# KiCad board tekskey-rounded.kicad_pcb
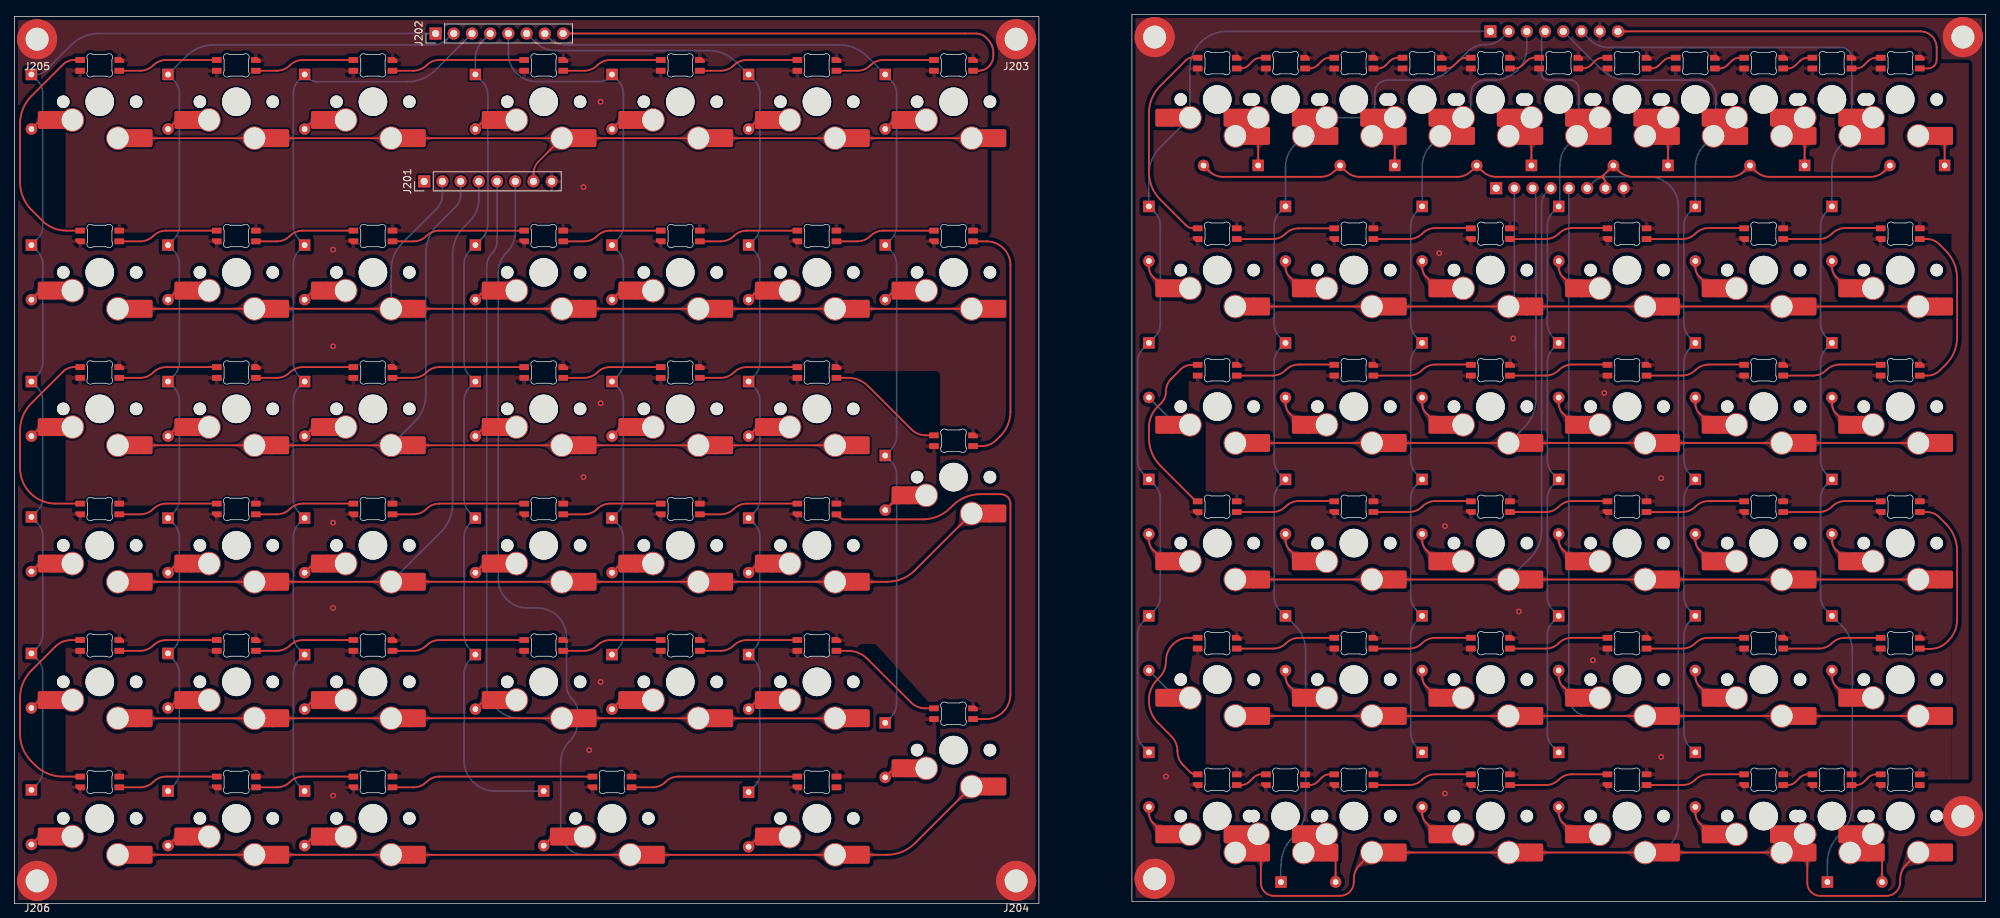
[diagram p0: board, top side]
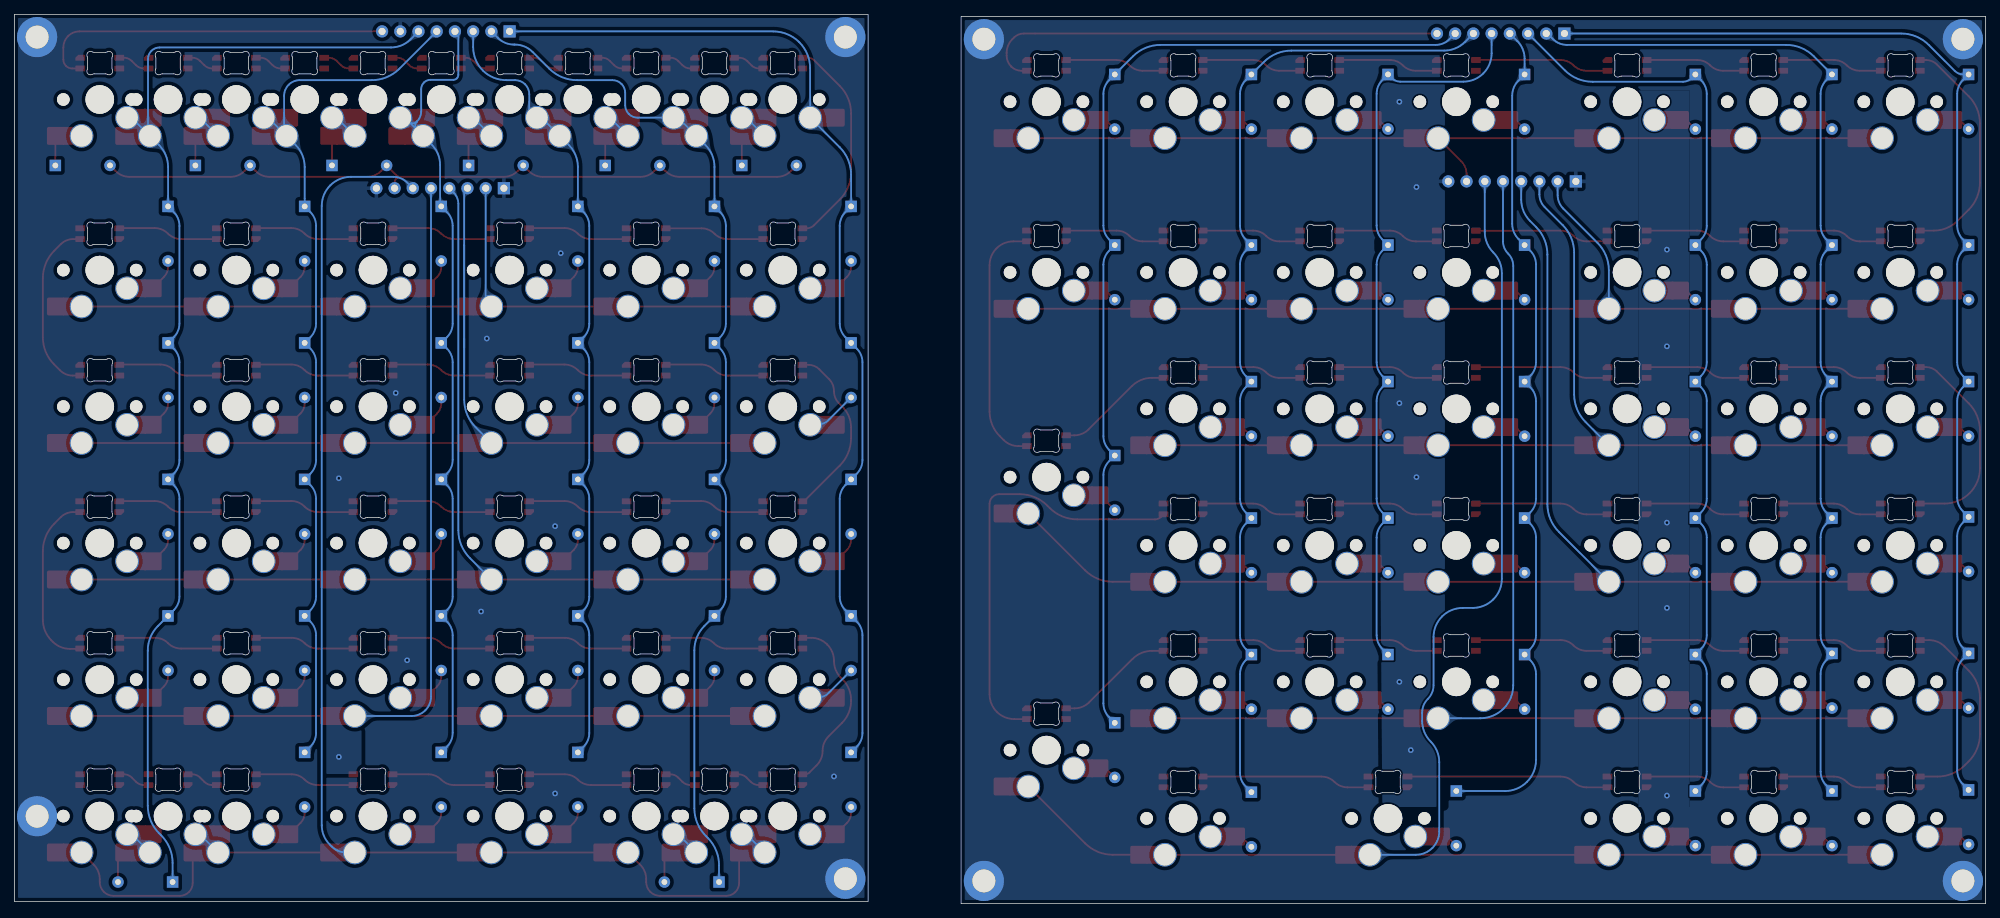
[diagram p1: board, bottom side, seen from below]

Outline 274.9 x 124.12 mm; copper layers: Top, Bottom. Coordinates in mm from the lower left corner of the outline.
Outline path: rectangle 0,123.82 142.88,0 ; rectangle 155.84,124.12 274.9,0.3
Stack: Top 0.035mm / dielectric 1.51mm FR4 er 4.5 / Bottom 0.035mm

## Placement (name value [footprint] x y rotation side)
D101  1N4148  [D_DO-35_SOD27_P7.62mm_Horizontal_NoSilk]  173.46 103.03 180 top
D102  1N4148  [D_DO-35_SOD27_P7.62mm_Horizontal_NoSilk]  192.51 103.03 180 top
D103  1N4148  [D_DO-35_SOD27_P7.62mm_Horizontal_NoSilk]  211.56 103.03 180 top
D104  1N4148  [D_DO-35_SOD27_P7.62mm_Horizontal_NoSilk]  230.61 103.03 180 top
D105  1N4148  [D_DO-35_SOD27_P7.62mm_Horizontal_NoSilk]  249.66 103.03 180 top
D106  1N4148  [D_DO-35_SOD27_P7.62mm_Horizontal_NoSilk]  269.18 103.03 180 top
D107  1N4148  [D_DO-35_SOD27_P7.62mm_Horizontal_NoSilk]  158.22 97.31 270 top
D108  1N4148  [D_DO-35_SOD27_P7.62mm_Horizontal_NoSilk]  177.27 97.31 270 top
D109  1N4148  [D_DO-35_SOD27_P7.62mm_Horizontal_NoSilk]  196.32 97.31 270 top
D110  1N4148  [D_DO-35_SOD27_P7.62mm_Horizontal_NoSilk]  215.37 97.31 270 top
D111  1N4148  [D_DO-35_SOD27_P7.62mm_Horizontal_NoSilk]  234.42 97.31 270 top
D112  1N4148  [D_DO-35_SOD27_P7.62mm_Horizontal_NoSilk]  253.47 97.31 270 top
D113  1N4148  [D_DO-35_SOD27_P7.62mm_Horizontal_NoSilk]  158.22 78.26 270 top
D114  1N4148  [D_DO-35_SOD27_P7.62mm_Horizontal_NoSilk]  177.27 78.26 270 top
D115  1N4148  [D_DO-35_SOD27_P7.62mm_Horizontal_NoSilk]  196.32 78.26 270 top
D116  1N4148  [D_DO-35_SOD27_P7.62mm_Horizontal_NoSilk]  215.37 78.26 270 top
D117  1N4148  [D_DO-35_SOD27_P7.62mm_Horizontal_NoSilk]  234.42 78.26 270 top
D118  1N4148  [D_DO-35_SOD27_P7.62mm_Horizontal_NoSilk]  253.47 78.26 270 top
D119  1N4148  [D_DO-35_SOD27_P7.62mm_Horizontal_NoSilk]  158.22 59.21 270 top
D120  1N4148  [D_DO-35_SOD27_P7.62mm_Horizontal_NoSilk]  177.27 59.21 270 top
D121  1N4148  [D_DO-35_SOD27_P7.62mm_Horizontal_NoSilk]  196.32 59.21 270 top
D122  1N4148  [D_DO-35_SOD27_P7.62mm_Horizontal_NoSilk]  215.37 59.21 270 top
D123  1N4148  [D_DO-35_SOD27_P7.62mm_Horizontal_NoSilk]  234.42 59.21 270 top
D124  1N4148  [D_DO-35_SOD27_P7.62mm_Horizontal_NoSilk]  253.47 59.21 270 top
D125  1N4148  [D_DO-35_SOD27_P7.62mm_Horizontal_NoSilk]  158.22 40.16 270 top
D126  1N4148  [D_DO-35_SOD27_P7.62mm_Horizontal_NoSilk]  177.27 40.16 270 top
D127  1N4148  [D_DO-35_SOD27_P7.62mm_Horizontal_NoSilk]  196.32 40.16 270 top
D128  1N4148  [D_DO-35_SOD27_P7.62mm_Horizontal_NoSilk]  215.37 40.16 270 top
D129  1N4148  [D_DO-35_SOD27_P7.62mm_Horizontal_NoSilk]  234.42 40.16 270 top
D130  1N4148  [D_DO-35_SOD27_P7.62mm_Horizontal_NoSilk]  253.47 40.16 270 top
D131  1N4148  [D_DO-35_SOD27_P7.62mm_Horizontal_NoSilk]  158.22 21.11 270 top
D132  1N4148  [D_DO-35_SOD27_P7.62mm_Horizontal_NoSilk]  176.63 3.02 0 top
D133  1N4148  [D_DO-35_SOD27_P7.62mm_Horizontal_NoSilk]  196.32 21.11 270 top
D134  1N4148  [D_DO-35_SOD27_P7.62mm_Horizontal_NoSilk]  215.37 21.11 270 top
D135  1N4148  [D_DO-35_SOD27_P7.62mm_Horizontal_NoSilk]  234.42 21.11 270 top
D136  1N4148  [D_DO-35_SOD27_P7.62mm_Horizontal_NoSilk]  252.83 3.02 0 top
D201  1N4148  [D_DO-35_SOD27_P7.62mm_Horizontal_NoSilk]  2.38 115.73 270 top
D202  1N4148  [D_DO-35_SOD27_P7.62mm_Horizontal_NoSilk]  21.43 115.73 270 top
D203  1N4148  [D_DO-35_SOD27_P7.62mm_Horizontal_NoSilk]  40.48 115.73 270 top
D204  1N4148  [D_DO-35_SOD27_P7.62mm_Horizontal_NoSilk]  64.29 115.73 270 top
D205  1N4148  [D_DO-35_SOD27_P7.62mm_Horizontal_NoSilk]  83.34 115.73 270 top
D206  1N4148  [D_DO-35_SOD27_P7.62mm_Horizontal_NoSilk]  102.39 115.73 270 top
D207  1N4148  [D_DO-35_SOD27_P7.62mm_Horizontal_NoSilk]  121.44 115.73 270 top
D208  1N4148  [D_DO-35_SOD27_P7.62mm_Horizontal_NoSilk]  2.38 91.92 270 top
D209  1N4148  [D_DO-35_SOD27_P7.62mm_Horizontal_NoSilk]  21.43 91.92 270 top
D210  1N4148  [D_DO-35_SOD27_P7.62mm_Horizontal_NoSilk]  40.48 91.92 270 top
D211  1N4148  [D_DO-35_SOD27_P7.62mm_Horizontal_NoSilk]  64.29 91.92 270 top
D212  1N4148  [D_DO-35_SOD27_P7.62mm_Horizontal_NoSilk]  83.34 91.92 270 top
D213  1N4148  [D_DO-35_SOD27_P7.62mm_Horizontal_NoSilk]  102.39 91.92 270 top
D214  1N4148  [D_DO-35_SOD27_P7.62mm_Horizontal_NoSilk]  121.44 91.92 270 top
D215  1N4148  [D_DO-35_SOD27_P7.62mm_Horizontal_NoSilk]  2.38 72.87 270 top
D216  1N4148  [D_DO-35_SOD27_P7.62mm_Horizontal_NoSilk]  21.43 72.87 270 top
D217  1N4148  [D_DO-35_SOD27_P7.62mm_Horizontal_NoSilk]  40.48 72.87 270 top
D218  1N4148  [D_DO-35_SOD27_P7.62mm_Horizontal_NoSilk]  64.29 72.87 270 top
D219  1N4148  [D_DO-35_SOD27_P7.62mm_Horizontal_NoSilk]  83.34 72.87 270 top
D220  1N4148  [D_DO-35_SOD27_P7.62mm_Horizontal_NoSilk]  102.39 72.87 270 top
D221  1N4148  [D_DO-35_SOD27_P7.62mm_Horizontal_NoSilk]  121.44 62.55 270 top
D222  1N4148  [D_DO-35_SOD27_P7.62mm_Horizontal_NoSilk]  2.38 53.97 270 top
D223  1N4148  [D_DO-35_SOD27_P7.62mm_Horizontal_NoSilk]  21.43 53.82 270 top
D224  1N4148  [D_DO-35_SOD27_P7.62mm_Horizontal_NoSilk]  40.48 53.82 270 top
D225  1N4148  [D_DO-35_SOD27_P7.62mm_Horizontal_NoSilk]  64.29 53.82 270 top
D226  1N4148  [D_DO-35_SOD27_P7.62mm_Horizontal_NoSilk]  83.34 53.82 270 top
D227  1N4148  [D_DO-35_SOD27_P7.62mm_Horizontal_NoSilk]  102.39 53.82 270 top
D229  1N4148  [D_DO-35_SOD27_P7.62mm_Horizontal_NoSilk]  2.38 34.92 270 top
D230  1N4148  [D_DO-35_SOD27_P7.62mm_Horizontal_NoSilk]  21.43 34.92 270 top
D231  1N4148  [D_DO-35_SOD27_P7.62mm_Horizontal_NoSilk]  40.48 34.77 270 top
D232  1N4148  [D_DO-35_SOD27_P7.62mm_Horizontal_NoSilk]  64.29 34.77 270 top
D233  1N4148  [D_DO-35_SOD27_P7.62mm_Horizontal_NoSilk]  83.34 34.77 270 top
D234  1N4148  [D_DO-35_SOD27_P7.62mm_Horizontal_NoSilk]  102.39 34.77 270 top
D235  1N4148  [D_DO-35_SOD27_P7.62mm_Horizontal_NoSilk]  121.44 25.24 270 top
D236  1N4148  [D_DO-35_SOD27_P7.62mm_Horizontal_NoSilk]  2.38 15.88 270 top
D237  1N4148  [D_DO-35_SOD27_P7.62mm_Horizontal_NoSilk]  21.43 15.72 270 top
D238  1N4148  [D_DO-35_SOD27_P7.62mm_Horizontal_NoSilk]  40.48 15.72 270 top
D239  1N4148  [D_DO-35_SOD27_P7.62mm_Horizontal_NoSilk]  73.82 15.72 270 top
D241  1N4148  [D_DO-35_SOD27_P7.62mm_Horizontal_NoSilk]  102.39 15.56 270 top
J101  Conn_01x08  [PinHeader_1x08_P2.54mm_Vertical]  206.63 99.85 90 top
J102  Conn_01x08  [PinHeader_1x08_P2.54mm_Vertical]  205.84 121.74 90 top
J103  Conn_01x01_Male  [MountingHole_3.2mm_M3_DIN965_Pad]  271.73 120.95 0 top
J104  Conn_01x01_Male  [MountingHole_3.2mm_M3_DIN965_Pad]  159.01 3.47 0 top
J105  Conn_01x01_Male  [MountingHole_3.2mm_M3_DIN965_Pad]  159.01 120.95 0 top
J106  Conn_01x01_Male  [MountingHole_3.2mm_M3_DIN965_Pad]  271.73 12.2 0 top
J201  Conn_01x08  [PinHeader_1x08_P2.54mm_Vertical]  57.15 100.81 90 top
J202  Conn_01x08  [PinHeader_1x08_P2.54mm_Vertical]  58.74 121.44 90 top
J203  Conn_01x01_Male  [MountingHole_3.2mm_M3_DIN965_Pad]  139.7 120.65 180 top
J204  Conn_01x01_Male  [MountingHole_3.2mm_M3_DIN965_Pad]  139.7 3.17 180 top
J205  Conn_01x01_Male  [MountingHole_3.2mm_M3_DIN965_Pad]  3.18 120.65 180 top
J206  Conn_01x01_Male  [MountingHole_3.2mm_M3_DIN965_Pad]  3.18 3.17 180 top
LED0B101  MX_SK6812MINI-E  [LED_MX_6028R]  177.27 117.32 180 top
LED1B101  MX_SK6812MINI-E  [LED_MX_6028R]  196.32 117.32 180 top
LED2B101  MX_SK6812MINI-E  [LED_MX_6028R]  215.37 117.32 180 top
LED3B101  MX_SK6812MINI-E  [LED_MX_6028R]  234.42 117.32 180 top
LED4B101  MX_SK6812MINI-E  [LED_MX_6028R]  253.47 117.32 180 top
LED101  MX_SK6812MINI-E  [LED_MX_6028R]  167.74 117.32 180 top
LED102  MX_SK6812MINI-E  [LED_MX_6028R]  186.79 117.32 180 top
LED103  MX_SK6812MINI-E  [LED_MX_6028R]  205.84 117.32 180 top
LED104  MX_SK6812MINI-E  [LED_MX_6028R]  224.89 117.32 180 top
LED105  MX_SK6812MINI-E  [LED_MX_6028R]  243.94 117.32 180 top
LED106  MX_SK6812MINI-E  [LED_MX_6028R]  262.99 117.32 180 top
LED107  MX_SK6812MINI-E  [LED_MX_6028R-FLIPPED]  167.74 93.5 180 top
LED108  MX_SK6812MINI-E  [LED_MX_6028R-FLIPPED]  186.79 93.5 180 top
LED109  MX_SK6812MINI-E  [LED_MX_6028R-FLIPPED]  205.84 93.5 180 top
LED110  MX_SK6812MINI-E  [LED_MX_6028R-FLIPPED]  224.89 93.5 180 top
LED111  MX_SK6812MINI-E  [LED_MX_6028R-FLIPPED]  243.94 93.5 180 top
LED112  MX_SK6812MINI-E  [LED_MX_6028R-FLIPPED]  262.99 93.5 180 top
LED113  MX_SK6812MINI-E  [LED_MX_6028R]  167.74 74.45 180 top
LED114  MX_SK6812MINI-E  [LED_MX_6028R]  186.79 74.45 180 top
LED115  MX_SK6812MINI-E  [LED_MX_6028R]  205.84 74.45 180 top
LED116  MX_SK6812MINI-E  [LED_MX_6028R]  224.89 74.45 180 top
LED117  MX_SK6812MINI-E  [LED_MX_6028R]  243.94 74.45 180 top
LED118  MX_SK6812MINI-E  [LED_MX_6028R]  262.99 74.45 180 top
LED119  MX_SK6812MINI-E  [LED_MX_6028R-FLIPPED]  167.74 55.4 180 top
LED120  MX_SK6812MINI-E  [LED_MX_6028R-FLIPPED]  186.79 55.4 180 top
LED121  MX_SK6812MINI-E  [LED_MX_6028R-FLIPPED]  205.84 55.4 180 top
LED122  MX_SK6812MINI-E  [LED_MX_6028R-FLIPPED]  224.89 55.4 180 top
LED123  MX_SK6812MINI-E  [LED_MX_6028R-FLIPPED]  243.94 55.4 180 top
LED124  MX_SK6812MINI-E  [LED_MX_6028R-FLIPPED]  262.99 55.4 180 top
LED125  MX_SK6812MINI-E  [LED_MX_6028R]  167.74 36.35 180 top
LED126  MX_SK6812MINI-E  [LED_MX_6028R]  186.79 36.35 180 top
LED127  MX_SK6812MINI-E  [LED_MX_6028R]  205.84 36.35 180 top
LED128  MX_SK6812MINI-E  [LED_MX_6028R]  224.89 36.35 180 top
LED129  MX_SK6812MINI-E  [LED_MX_6028R]  243.94 36.35 180 top
LED130  MX_SK6812MINI-E  [LED_MX_6028R]  262.99 36.35 180 top
LED131  MX_SK6812MINI-E  [LED_MX_6028R-FLIPPED]  167.74 17.3 180 top
LED132  MX_SK6812MINI-E  [LED_MX_6028R-FLIPPED]  177.27 17.3 180 top
LED133  MX_SK6812MINI-E  [LED_MX_6028R-FLIPPED]  186.79 17.3 180 top
LED134  MX_SK6812MINI-E  [LED_MX_6028R-FLIPPED]  205.84 17.3 180 top
LED135  MX_SK6812MINI-E  [LED_MX_6028R-FLIPPED]  224.89 17.3 180 top
LED136  MX_SK6812MINI-E  [LED_MX_6028R-FLIPPED]  243.94 17.3 180 top
LED137  MX_SK6812MINI-E  [LED_MX_6028R-FLIPPED]  253.47 17.3 180 top
LED138  MX_SK6812MINI-E  [LED_MX_6028R-FLIPPED]  262.99 17.3 180 top
LED201  MX_SK6812MINI-E  [LED_MX_6028R]  11.91 117 180 top
LED202  MX_SK6812MINI-E  [LED_MX_6028R]  30.96 117 180 top
LED203  MX_SK6812MINI-E  [LED_MX_6028R]  50.01 117 180 top
LED204  MX_SK6812MINI-E  [LED_MX_6028R]  73.82 117 180 top
LED205  MX_SK6812MINI-E  [LED_MX_6028R]  92.87 117 180 top
LED206  MX_SK6812MINI-E  [LED_MX_6028R]  111.92 117 180 top
LED207  MX_SK6812MINI-E  [LED_MX_6028R]  130.97 117 180 top
LED208  MX_SK6812MINI-E  [LED_MX_6028R-FLIPPED]  11.91 93.19 180 top
LED209  MX_SK6812MINI-E  [LED_MX_6028R-FLIPPED]  30.96 93.19 180 top
LED210  MX_SK6812MINI-E  [LED_MX_6028R-FLIPPED]  50.01 93.19 180 top
LED211  MX_SK6812MINI-E  [LED_MX_6028R-FLIPPED]  73.82 93.19 180 top
LED212  MX_SK6812MINI-E  [LED_MX_6028R-FLIPPED]  92.87 93.19 180 top
LED213  MX_SK6812MINI-E  [LED_MX_6028R-FLIPPED]  111.92 93.19 180 top
LED214  MX_SK6812MINI-E  [LED_MX_6028R-FLIPPED]  130.97 93.19 180 top
LED215  MX_SK6812MINI-E  [LED_MX_6028R]  11.91 74.14 180 top
LED216  MX_SK6812MINI-E  [LED_MX_6028R]  30.96 74.14 180 top
LED217  MX_SK6812MINI-E  [LED_MX_6028R]  50.01 74.14 180 top
LED218  MX_SK6812MINI-E  [LED_MX_6028R]  73.82 74.14 180 top
LED219  MX_SK6812MINI-E  [LED_MX_6028R]  92.87 74.14 180 top
LED220  MX_SK6812MINI-E  [LED_MX_6028R]  111.92 74.14 180 top
LED221  MX_SK6812MINI-E  [LED_MX_6028R]  130.97 64.61 180 top
LED222  MX_SK6812MINI-E  [LED_MX_6028R-FLIPPED]  11.91 55.09 180 top
LED223  MX_SK6812MINI-E  [LED_MX_6028R-FLIPPED]  30.96 55.09 180 top
LED224  MX_SK6812MINI-E  [LED_MX_6028R-FLIPPED]  50.01 55.09 180 top
LED225  MX_SK6812MINI-E  [LED_MX_6028R-FLIPPED]  73.82 55.09 180 top
LED226  MX_SK6812MINI-E  [LED_MX_6028R-FLIPPED]  92.87 55.09 180 top
LED227  MX_SK6812MINI-E  [LED_MX_6028R-FLIPPED]  111.92 55.09 180 top
LED229  MX_SK6812MINI-E  [LED_MX_6028R]  11.91 36.04 180 top
LED230  MX_SK6812MINI-E  [LED_MX_6028R]  30.96 36.04 180 top
LED231  MX_SK6812MINI-E  [LED_MX_6028R]  50.01 36.04 180 top
LED232  MX_SK6812MINI-E  [LED_MX_6028R]  73.82 36.04 180 top
LED233  MX_SK6812MINI-E  [LED_MX_6028R]  92.87 36.04 180 top
LED234  MX_SK6812MINI-E  [LED_MX_6028R]  111.92 36.04 180 top
LED235  MX_SK6812MINI-E  [LED_MX_6028R]  130.97 26.51 180 top
LED236  MX_SK6812MINI-E  [LED_MX_6028R-FLIPPED]  11.91 16.99 180 top
LED237  MX_SK6812MINI-E  [LED_MX_6028R-FLIPPED]  30.96 16.99 180 top
LED238  MX_SK6812MINI-E  [LED_MX_6028R-FLIPPED]  50.01 16.99 180 top
LED239  MX_SK6812MINI-E  [LED_MX_6028R-FLIPPED]  83.34 16.99 180 top
LED241  MX_SK6812MINI-E  [LED_MX_6028R-FLIPPED]  111.92 16.99 180 top
SW1B101  MX_SW_HS  [SW_MX_HS_1u]  177.27 112.24 180 top
SW2B101  MX_SW_HS  [SW_MX_HS_1u]  196.32 112.24 180 top
SW3B101  MX_SW_HS  [SW_MX_HS_1u]  215.37 112.24 180 top
SW4B101  MX_SW_HS  [SW_MX_HS_1u]  234.42 112.24 180 top
SW5B101  MX_SW_HS  [SW_MX_HS_1u]  253.47 112.24 180 top
SW51B101  MX_SW_HS  [SW_MX_HS_1u]  177.27 12.22 180 top
SW55B101  MX_SW_HS  [SW_MX_HS_1u]  253.47 12.22 180 top
SW101  MX_SW_HS  [SW_MX_HS_1u]  167.74 112.24 180 top
SW102  MX_SW_HS  [SW_MX_HS_1u]  186.79 112.24 180 top
SW103  MX_SW_HS  [SW_MX_HS_1u]  205.84 112.24 180 top
SW104  MX_SW_HS  [SW_MX_HS_1u]  224.89 112.24 180 top
SW105  MX_SW_HS  [SW_MX_HS_1u]  243.94 112.24 180 top
SW106  MX_SW_HS  [SW_MX_HS_1u]  262.99 112.24 180 top
SW107  MX_SW_HS  [SW_MX_HS_1u]  167.74 88.42 180 top
SW108  MX_SW_HS  [SW_MX_HS_1u]  186.79 88.42 180 top
SW109  MX_SW_HS  [SW_MX_HS_1u]  205.84 88.42 180 top
SW110  MX_SW_HS  [SW_MX_HS_1u]  224.89 88.42 180 top
SW111  MX_SW_HS  [SW_MX_HS_1u]  243.94 88.42 180 top
SW112  MX_SW_HS  [SW_MX_HS_1u]  262.99 88.42 180 top
SW113  MX_SW_HS  [SW_MX_HS_1u]  167.74 69.37 180 top
SW114  MX_SW_HS  [SW_MX_HS_1u]  186.79 69.37 180 top
SW115  MX_SW_HS  [SW_MX_HS_1u]  205.84 69.37 180 top
SW116  MX_SW_HS  [SW_MX_HS_1u]  224.89 69.37 180 top
SW117  MX_SW_HS  [SW_MX_HS_1u]  243.94 69.37 180 top
SW118  MX_SW_HS  [SW_MX_HS_1u]  262.99 69.37 180 top
SW119  MX_SW_HS  [SW_MX_HS_1u]  167.74 50.32 180 top
SW120  MX_SW_HS  [SW_MX_HS_1u]  186.79 50.32 180 top
SW121  MX_SW_HS  [SW_MX_HS_1u]  205.84 50.32 180 top
SW122  MX_SW_HS  [SW_MX_HS_1u]  224.89 50.32 180 top
SW123  MX_SW_HS  [SW_MX_HS_1u]  243.94 50.32 180 top
SW124  MX_SW_HS  [SW_MX_HS_1u]  262.99 50.32 180 top
SW125  MX_SW_HS  [SW_MX_HS_1u]  167.74 31.27 180 top
SW126  MX_SW_HS  [SW_MX_HS_1u]  186.79 31.27 180 top
SW127  MX_SW_HS  [SW_MX_HS_1u]  205.84 31.27 180 top
SW128  MX_SW_HS  [SW_MX_HS_1u]  224.89 31.27 180 top
SW129  MX_SW_HS  [SW_MX_HS_1u]  243.94 31.27 180 top
SW130  MX_SW_HS  [SW_MX_HS_1u]  262.99 31.27 180 top
SW131  MX_SW_HS  [SW_MX_HS_1u]  167.74 12.22 180 top
SW132  MX_SW_HS  [SW_MX_HS_1u]  186.79 12.22 180 top
SW133  MX_SW_HS  [SW_MX_HS_1u]  205.84 12.22 180 top
SW134  MX_SW_HS  [SW_MX_HS_1u]  224.89 12.22 180 top
SW135  MX_SW_HS  [SW_MX_HS_1u]  243.94 12.22 180 top
SW136  MX_SW_HS  [SW_MX_HS_1u]  262.99 12.22 180 top
SW201  MX_SW_HS  [SW_MX_HS_1u]  11.91 111.92 180 top
SW202  MX_SW_HS  [SW_MX_HS_1u]  30.96 111.92 180 top
SW203  MX_SW_HS  [SW_MX_HS_1u]  50.01 111.92 180 top
SW204  MX_SW_HS  [SW_MX_HS_1u]  73.82 111.92 180 top
SW205  MX_SW_HS  [SW_MX_HS_1u]  92.87 111.92 180 top
SW206  MX_SW_HS  [SW_MX_HS_1u]  111.92 111.92 180 top
SW207  MX_SW_HS  [SW_MX_HS_1u]  130.97 111.92 180 top
SW208  MX_SW_HS  [SW_MX_HS_1u]  11.91 88.11 180 top
SW209  MX_SW_HS  [SW_MX_HS_1u]  30.96 88.11 180 top
SW210  MX_SW_HS  [SW_MX_HS_1u]  50.01 88.11 180 top
SW211  MX_SW_HS  [SW_MX_HS_1u]  73.82 88.11 180 top
SW212  MX_SW_HS  [SW_MX_HS_1u]  92.87 88.11 180 top
SW213  MX_SW_HS  [SW_MX_HS_1u]  111.92 88.11 180 top
SW214  MX_SW_HS  [SW_MX_HS_1u]  130.97 88.11 180 top
SW215  MX_SW_HS  [SW_MX_HS_1u]  11.91 69.06 180 top
SW216  MX_SW_HS  [SW_MX_HS_1u]  30.96 69.06 180 top
SW217  MX_SW_HS  [SW_MX_HS_1u]  50.01 69.06 180 top
SW218  MX_SW_HS  [SW_MX_HS_1u]  73.82 69.06 180 top
SW219  MX_SW_HS  [SW_MX_HS_1u]  92.87 69.06 180 top
SW220  MX_SW_HS  [SW_MX_HS_1u]  111.92 69.06 180 top
SW221  MX_SW_HS  [SW_MX_HS_1u]  130.97 59.53 180 top
SW222  MX_SW_HS  [SW_MX_HS_1u]  11.91 50.01 180 top
SW223  MX_SW_HS  [SW_MX_HS_1u]  30.96 50.01 180 top
SW224  MX_SW_HS  [SW_MX_HS_1u]  50.01 50.01 180 top
SW225  MX_SW_HS  [SW_MX_HS_1u]  73.82 50.01 180 top
SW226  MX_SW_HS  [SW_MX_HS_1u]  92.87 50.01 180 top
SW227  MX_SW_HS  [SW_MX_HS_1u]  111.92 50.01 180 top
SW229  MX_SW_HS  [SW_MX_HS_1u]  11.91 30.96 180 top
SW230  MX_SW_HS  [SW_MX_HS_1u]  30.96 30.96 180 top
SW231  MX_SW_HS  [SW_MX_HS_1u]  50.01 30.96 180 top
SW232  MX_SW_HS  [SW_MX_HS_1u]  73.82 30.96 180 top
SW233  MX_SW_HS  [SW_MX_HS_1u]  92.87 30.96 180 top
SW234  MX_SW_HS  [SW_MX_HS_1u]  111.92 30.96 180 top
SW235  MX_SW_HS  [SW_MX_HS_1u]  130.97 21.43 180 top
SW236  MX_SW_HS  [SW_MX_HS_1u]  11.91 11.91 180 top
SW237  MX_SW_HS  [SW_MX_HS_1u]  30.96 11.91 180 top
SW238  MX_SW_HS  [SW_MX_HS_1u]  50.01 11.91 180 top
SW239  MX_SW_HS  [SW_MX_HS_1u]  83.34 11.91 180 top
SW241  MX_SW_HS  [SW_MX_HS_1u]  111.92 11.91 180 top

## Library data of the parts
LED0B101 LED1B101 LED2B101 LED3B101 LED4B101 LED101-LED138 = -: Field4: 1; Field5: offset: 5.08; Field6: switch center
LED201-LED227 LED229-LED239 LED241 = -: Field4: 1

## Footprints (pads in the part's own frame, mm; a bottom-side part is the same pattern mirrored in y, then rotated)
D_DO-35_SOD27_P7.62mm_Horizontal_NoSilk
  rect 1.6x1.6 hole 0.8: 1(0,0)
  oval 1.6x1.6 hole 0.8: 2(7.62,0)
LED_MX_6028R
  rrect 1.35x0.82 smd: 1(2.725,0.75) 2(2.725,-0.75) 3(-2.725,0.75) 4(-2.725,-0.75)
LED_MX_6028R-FLIPPED
  rrect 1.35x0.82 smd: 1(-2.725,-0.75) 2(-2.725,0.75) 3(2.725,-0.75) 4(2.725,0.75)
MountingHole_3.2mm_M3_DIN965_Pad
  round 5.6 hole 3.2: 1(0,0)
PinHeader_1x08_P2.54mm_Vertical
  rect 1.7x1.7 hole 1: 1(0,0)
  oval 1.7x1.7 hole 1: 2(0,-2.54) 3(0,-5.08) 4(0,-7.62) 5(0,-10.16) 6(0,-12.7) 7(0,-15.24) 8(0,-17.78)
SW_MX_HS_1u
  round 1.75 hole 1.75 unplated: (-5.08,0) (5.08,0)
  round 3.988 hole 3.988 unplated: (0,0)
  round 3.3 hole 3: 1(3.81,2.54) 2(-2.54,5.08)
  rect 1.65x2.5 smd: 1(5.635,2.54) 2(-4.34,5.08)
  rrect 2.55x2.5 smd: 1(7.36,2.54) 2(-6.09,5.08)

## Nets
+5V: J101.8 LED0B101.1 LED1B101.1 LED2B101.1 LED3B101.1 LED4B101.1 LED101.1 LED102.1 LED103.1 LED104.1 LED105.1 LED106.1 LED107.1 LED108.1 LED109.1 LED110.1 LED111.1 LED112.1 LED113.1 LED114.1 LED115.1 LED116.1 LED117.1 LED118.1 LED119.1 LED120.1 LED121.1 LED122.1 LED123.1 LED124.1 LED125.1 LED126.1 LED127.1 LED128.1 LED129.1 LED130.1 LED131.1 LED132.1 LED133.1 LED134.1 LED135.1 LED136.1 LED137.1 LED138.1
+5VA: J201.8 LED201.1 LED202.1 LED203.1 LED204.1 LED205.1 LED206.1 LED207.1 LED208.1 LED209.1 LED210.1 LED211.1 LED212.1 LED213.1 LED214.1 LED215.1 LED216.1 LED217.1 LED218.1 LED219.1 LED220.1 LED221.1 LED222.1 LED223.1 LED224.1 LED225.1 LED226.1 LED227.1 LED229.1 LED230.1 LED231.1 LED232.1 LED233.1 LED234.1 LED235.1 LED236.1 LED237.1 LED238.1 LED239.1 LED241.1
GND: J101.1 J102.7 J103.1 J104.1 J105.1 J106.1 LED0B101.4 LED1B101.4 LED2B101.4 LED3B101.4 LED4B101.4 LED101.4 LED102.4 LED103.4 LED104.4 LED105.4 LED106.4 LED107.4 LED108.4 LED109.4 LED110.4 LED111.4 LED112.4 LED113.4 LED114.4 LED115.4 LED116.4 LED117.4 LED118.4 LED119.4 LED120.4 LED121.4 LED122.4 LED123.4 LED124.4 LED125.4 LED126.4 LED127.4 LED128.4 LED129.4 LED130.4 LED131.4 LED132.4 LED133.4 LED134.4 LED135.4 LED136.4 LED137.4 LED138.4
GND1: J201.1 J203.1 J204.1 J205.1 J206.1 LED201.4 LED202.4 LED203.4 LED204.4 LED205.4 LED206.4 LED207.4 LED208.4 LED209.4 LED210.4 LED211.4 LED212.4 LED213.4 LED214.4 LED215.4 LED216.4 LED217.4 LED218.4 LED219.4 LED220.4 LED221.4 LED222.4 LED223.4 LED224.4 LED225.4 LED226.4 LED227.4 LED229.4 LED230.4 LED231.4 LED232.4 LED233.4 LED234.4 LED235.4 LED236.4 LED237.4 LED238.4 LED239.4 LED241.4
col0: D107.1 D113.1 D119.1 D125.1 D131.1 J102.1 SW101.1
col1: D108.1 D114.1 D120.1 D126.1 D132.1 J102.2 SW1B101.2 SW102.1
col2: D109.1 D115.1 D121.1 D127.1 D133.1 J102.3 SW2B101.2 SW103.1
col3: D110.1 D116.1 D122.1 D128.1 D134.1 J102.4 SW3B101.2 SW104.1
col4: D111.1 D117.1 D123.1 D129.1 D135.1 J102.5 SW4B101.2 SW105.1
col5: D112.1 D118.1 D124.1 D130.1 D136.1 J102.6 SW5B101.2 SW106.1
LEDIN: J102.8 LED106.3
ncol0: D201.1 D208.1 D215.1 D222.1 D229.1 D236.1 J202.1
ncol1: D202.1 D209.1 D216.1 D223.1 D230.1 D237.1 J202.2
ncol2: D203.1 D210.1 D217.1 D224.1 D231.1 D238.1 J202.3
ncol3: D204.1 D211.1 D218.1 D225.1 D232.1 D239.1 J202.4
ncol4: D205.1 D212.1 D219.1 D226.1 D233.1 J202.5
ncol5: D206.1 D213.1 D220.1 D227.1 D234.1 D241.1 J202.6
ncol6: D207.1 D214.1 D221.1 D235.1 J202.7
nLEDIN: J202.8 LED207.3
nrow0: J201.7 SW201.2 SW202.2 SW203.2 SW204.2 SW205.2 SW206.2 SW207.2
nrow1: J201.2 SW208.2 SW209.2 SW210.2 SW211.2 SW212.2 SW213.2 SW214.2
nrow2: J201.3 SW215.2 SW216.2 SW217.2 SW218.2 SW219.2 SW220.2
nrow3: J201.4 SW221.2 SW222.2 SW223.2 SW224.2 SW225.2 SW226.2 SW227.2
nrow4: J201.5 SW229.2 SW230.2 SW231.2 SW232.2 SW233.2 SW234.2
nrow5: J201.6 SW235.2 SW236.2 SW237.2 SW238.2 SW239.2 SW241.2
row0: D101.2 D102.2 D103.2 D104.2 D105.2 D106.2 J101.7
row1: J101.2 SW107.2 SW108.2 SW109.2 SW110.2 SW111.2 SW112.2
row2: J101.3 SW113.2 SW114.2 SW115.2 SW116.2 SW117.2 SW118.2
row3: J101.4 SW119.2 SW120.2 SW121.2 SW122.2 SW123.2 SW124.2
row4: J101.5 SW125.2 SW126.2 SW127.2 SW128.2 SW129.2 SW130.2
row5: J101.6 SW51B101.1 SW55B101.1 SW131.2 SW132.2 SW133.2 SW134.2 SW135.2 SW136.2
Net-(D101-Pad1): D101.1 SW1B101.1 SW101.2
Net-(D102-Pad1): D102.1 SW2B101.1 SW102.2
Net-(D103-Pad1): D103.1 SW3B101.1 SW103.2
Net-(D104-Pad1): D104.1 SW4B101.1 SW104.2
Net-(D105-Pad1): D105.1 SW5B101.1 SW105.2
Net-(D106-Pad1): D106.1 SW106.2
Net-(D107-Pad2): D107.2 SW107.1
Net-(D108-Pad2): D108.2 SW108.1
Net-(D109-Pad2): D109.2 SW109.1
Net-(D110-Pad2): D110.2 SW110.1